# KiCad board ulx4m_panel.kicad_pcb (continued)
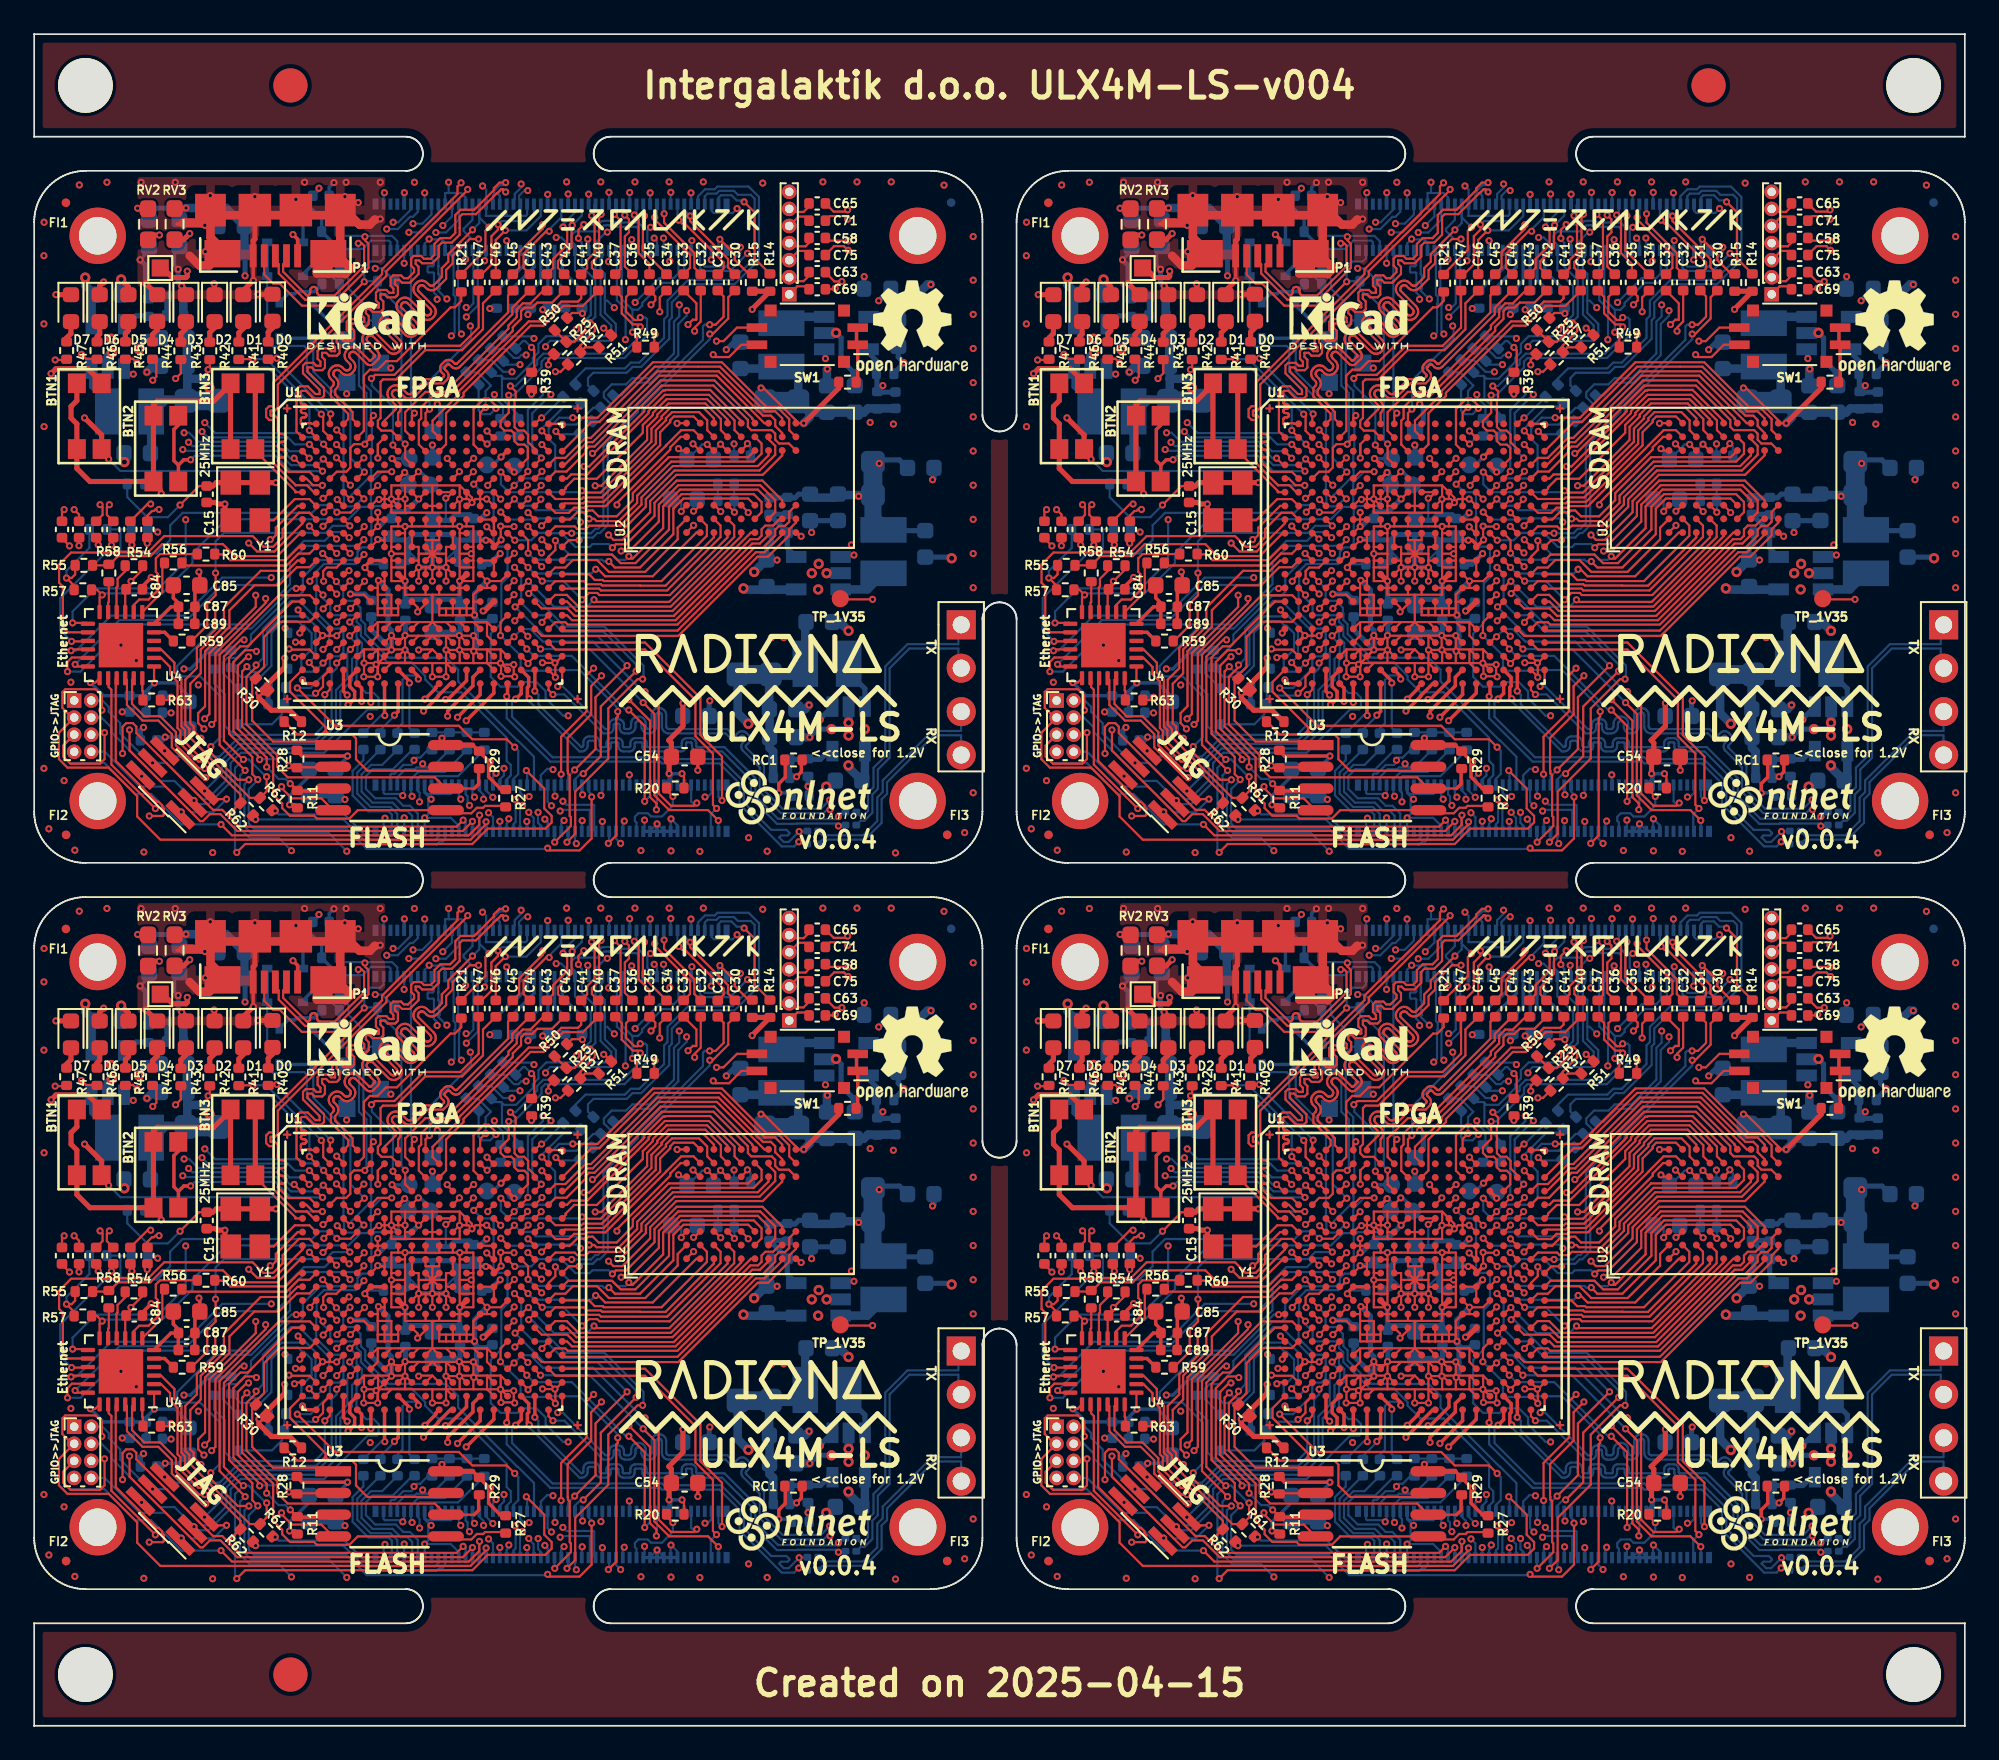
[diagram p0: board, top side]
## Routing (per net, layer and track width the routed paths; a pad name or vN(x,y) marks a point on that pad's centre or on a via; arc(x,y) is an arc through that point) (continued)
  Top w0.2: 9.43,24.28 9.41,24.26 C87#3.2 9.4,22.98 C89#3.2 ; v1(27.34,26.91) 26.92,26.5 U1#3.K15 26.91,26.65 26.67,26.89 v1(26.44,26.89) ; 12.82,43.23 12.82,42.1 v1(12.83,42.09) ; 8.36,45.4 9.21,45.4 9.3,45.48 ; 38.85,14.26 v3(38.85,13.42) ; C85#2.2 9.7,24.98 v1(9.65,25.03) ; 19.98,45.64 20.22,45.64 v1(20.26,45.69) ; v1(6.85,24.71) 6.34,24.19 C84#4.2 ; U1#3.G7 20.91,28.9
  Top w0.3: v1(4.07,42) 3.84,41.76 D6#2.1 ; C15#2.2 10.64,29.1 10.73,29.01 v3(11.17,29.01) 11.17,28.4 Y1.2 ; 20.93,20.51 20.91,20.5 v1(20.91,20.47) ; 12.82,43.23 12.82,44.42 12.92,44.52 v1(12.92,47) ; v1(30.49,19.71) 30.5,19.69 30.51,19.69 ; D5.1 5.52,41.72 v2(5.09,42.15) ; D2#2.1 10.56,41.87 v1(10.54,41.89) ; 26.51,26.89 26.45,26.89 v1(26.44,26.89) ; D1.1 12.24,41.5 v1(12.83,42.09) ; v1(10.31,47.06) 10.32,47.05 10.32,45.91 ; D4.1 7.19,41.25 v3(6.53,41.92) ; D3.1 8.88,41.53 v1(8.64,41.77) ; D7#3.1 1.27,41.25 v1(1.27,41.26) ; v1(18.19,47) 17.92,46.73 17.92,45.91 ; v1(13.11,41.28) 13.11,41.28 D0.1 ; v1(15.32,46.83) 15.32,46.83 15.32,45.91
  Top w0.5: 9.3,45.48 8.76,45.48 8.71,45.43 9.85,45.43 10.32,45.91 ; 17.22,43.36 17.22,43.56 17.92,44.26 17.92,45.91 ; 17.22,43.36 17.92,43.36 ; 17.22,43.36 16.55,42.69 16.55,42.5 18.17,42.5 18.2,42.47 18.46,42.73 18.46,42.87 17.97,43.36 17.22,43.36 ; 17.22,43.36 17.22,42.51 17.21,42.5 ; 10.32,45.91 10.32,44.61 11.02,43.91 11.02,43.36 10.64,43.36 10.25,42.97 9.67,42.97 9.1,43.54 ; 10.32,45.91 17.92,45.91 ; 19.98,45.64 19.94,45.64 19.65,45.36 19.04,45.36 18.49,45.91 17.92,45.91
  Bottom w0.127: v3(7.23,27.37) 7.08,27.52 C83#3.1 ; v1(26.25,47.62) 26.46,47.41 J2#4.32 26.46,45.88 26.44,45.87 27.69,45.87 ; 24.27,47.21 24.06,47.21 ; 24.27,47.21 24.26,47.22 v1(24.26,47.84) ; 24.27,47.21 25,47.21 25.26,46.94 J2#4.26 ; v3(37.27,47.25) 37.26,47.23 J2#4.86 ; J1#2.43 28.86,10.41 v1(28.84,10.43) ; v1(37.21,43.22) 37.26,43.26 J2#4.85 ; J1#2.65 33.26,10.42 v1(33.26,10.43) ; v1(40.19,28.57) 39.97,28.79 39.97,29.14 C81#2.2 C79#4.2 ; J2#4.98 39.66,46.17 39.79,46.04 40.89,46.04 v3(41.15,46.3) ; J2#4.31 26.46,43.33 v1(26.37,43.24) ; J1#2.60 32.06,12.03 v1(32.1,11.99) ; 28.86,46.41 28.86,45.95 28.78,45.87 27.69,45.87 ; 25.92,20.71 25.92,20.72 25.89,20.74 ; J1#2.74 34.86,13.14 v1(34.84,13.16) ; v3(32.46,47.14) 32.46,47.13 J2#4.62 ; v3(34.86,47.24) 34.86,47.23 J2#4.74 ; v1(30.56,44.61) 30.86,44.61 31.26,44.2 J2#4.55 ; J1#2.2 20.46,12.1 20.52,12.04 21.48,12.04 v1(21.58,11.94) ; J2#4.68 33.66,47.24 v3(33.65,47.25) ; v1(22.51,25.3) 22.51,25.65 21.91,26.25 21.91,26.33 ; J2#4.19 24.06,44.3 23.87,44.49 23.14,44.49 v3(23.12,44.51) 22.86,44.25 22.86,43.7 ; C80#3.2 v1(40.97,32.53) ; v1(37.88,28.57) 37.88,29.12 37.72,29.29 C82#4.2 ; R17#2.1 26.69,40.46 v1(26.67,40.45) ; v1(22.86,10.64) 24.39,10.64 24.86,10.17 J1#2.23 ; v1(22.86,10.64) 22.86,10.64 J1#2.13 ; v1(22.86,10.64) 23.07,10.85 23.07,11.89 22.86,12.1 J1#2.14 ; 25.71,22.45 25.76,22.51 v1(25.78,22.51) ; J1#2.71 34.46,10.36 v1(34.54,10.45) ; v3(27.66,44.41) 27.66,44.41 J2#4.37 ; 26.46,26.89 v1(26.44,26.89) ; v1(38.5,44.43) 38.46,44.38 J2#4.91 ; J1#2.42 28.46,12.1 28.67,11.89 v1(28.97,11.89) ; v1(20.54,10.62) 20.46,10.54 J1#2.1 ; v1(26.85,11.84) 26.46,12.23 26.46,12.71 ; 24.71,26.33 24.11,25.73 v1(24.11,25.3) ; v3(38.45,47.22) 38.46,47.21 J2#4.92 ; C78#4.2 39.77,32.09 v1(40.18,32.51) ; J1#2.66 33.26,12.03 v1(33.18,11.95) ; v1(26.6,10.94) 26.86,10.68 26.86,9.85 J1#2.33 ; 21.91,26.9 21.91,26.92 ; R48#2.2 R52#3.2 26.99,32.99 v1(26.52,32.52) ; v1(22.86,47.22) 22.86,47.21 22.86,46.41 ; J1#2.14 22.86,12.19 23.01,12.04 24.39,12.04 24.46,12.1 J1#2.22 ; J1#2.14 22.86,12.11 v1(23.24,11.73) ; v1(21.66,10.64) 21.66,10.64 J1#2.7 ; 21.91,25.58 21.81,25.48 C14#3.2 ; v3(33.62,43.19) 33.66,43.22 J2#4.67 ; v1(21.58,11.94) 21.6,11.94 ; v1(21.58,11.94) 21.66,12.02 J1#2.8 ; D9#3.2 18.31,35.48 v1(18.29,35.46) ; J1#2.59 32.06,10.45 v1(32.08,10.48) ; v3(30.06,47.13) 30.06,47.12 J2#4.50 ; J2#4.7 v1(21.66,43.1) ; 27.69,45.87 27.66,45.9 J2#4.38 ; v3(36.06,47.22) 36.06,47.21 J2#4.80 ; v1(31.02,10.49) 30.86,10.33 J1#2.53 ; v1(20.88,36.97) 20.6,37.25 D8#3.2 ; J2#4.61 32.46,44.46 v3(32.41,44.51) ; J2#4.97 39.66,43.32 v3(39.64,43.3) ; J1#2.98 39.66,12.1 39.42,11.86 v1(39.27,11.86) ; J2#4.79 36.06,44.21 35.89,44.37 35.89,45.02 v1(36.07,45.2) ; J2#4.25 25.26,43.33 v1(25.25,43.33) ; J2#4.20 24.06,47.21 ; v1(30.49,11.91) 30.46,11.94 J1#2.52 ; J2#4.56 31.26,47.14 v3(31.26,47.15) ; J2#4.73 34.86,44.35 v3(34.98,44.47)
  Bottom w0.2: v1(21.67,47.23) 21.66,47.21 J2#4.8 ; v1(9.99,45.32) 10.04,45.27 C38#2.2 ; C90#3.2 7.92,17.79 v1(8.02,17.69) ; v1(5.15,16.84) 5.17,16.83 C86#2.2 ; C49#3.2 6.73,43.83 v1(6.2,43.3) ; v1(17.55,47.82) 17.27,47.54 C18.2 ; v3(45.3,12.48) 45.34,12.44 45.34,11.95 ; C88#2.2 8,16.8 v1(8.02,16.78) ; v1(32.09,40.16) 32.07,40.18 R9#2.1 32.11,40.44 ; C53#2.2 8.22,43.78 8.22,42.95 v3(8.43,42.74)
  Bottom w0.3: v1(10.02,43.77) 10.05,43.74 C48.2 ; 25.9,22.27 25.9,22.13 ; 25.9,22.27 25.71,22.45 ; 25.9,22.27 25.78,22.38 v1(25.78,22.51) 25.78,23.77 v1(26.51,24.5) ; 25.9,22.13 25.9,21.25 ; 25.9,22.13 26.52,22.13 26.68,22.3 C29.2 ; 48.02,36.67 47.24,37.45 47.24,38.73 v2(46.94,39.03) ; v1(24.11,25.3) v1(23.31,25.3) ; v1(23.31,25.3) v1(22.51,25.3) ; v1(23.31,25.3) 23.31,27.17 23.36,27.22 ; C21#3.2 6.22,15.75 v1(6.4,15.93) ; v1(39.55,17.49) 39.52,17.45 C16#2.2 ; 6.59,38.72 6.13,38.26 v2(6.13,38.05) ; v1(8.64,41.77) 8.43,41.98 v3(8.43,42.74) ; v1(21.71,21.32) 21.73,21.33 C27#4.2 ; 23.36,27.22 22.21,27.22 21.91,26.92 ; 23.36,27.22 24.39,27.22 24.71,26.9 ; C13#2.2 24.75,25.48 24.71,25.52 24.71,26.9 ; C50#4.2 C51#2.2 17.99,11.92 v3(18.19,11.71) ; 46.65,12.82 46.65,12.56 ; v1(6.2,43.3) 6.53,42.97 v3(6.53,41.92) 6.69,41.76 6.69,40.98 ; 25.75,26.9 26.51,26.9 ; 25.75,26.9 25.73,26.92 C25#3.2 ; 25.75,26.9 25.61,26.9 25.6,26.9 ; 26.51,26.9 26.45,26.9 v1(26.44,26.89) ; 26.51,26.9 24.71,26.9 ; v1(20.15,24.54) 20.71,23.98 20.71,21.81 20.91,21.6 v1(20.91,20.47) 19.74,21.64 19.74,22.43 ; C17#3.2 24.69,21.5 v1(24.88,21.31) 24.93,21.36 C28#2.2 ; v3(23.6,34.86) 23.81,34.65 23.81,33.73 C19#3.2 ; C24#3.2 40.96,38.48 v1(40.51,38.04) ; 25.9,21.25 25.89,20.74 ; 25.9,21.25 25.85,21.3 v1(25.71,21.3) ; v2(46.68,15.83) 45.88,15.83 v3(45.4,15.36) ; 21.91,25.58 21.91,26.9 20.94,26.9 ; v1(43.49,25.73) 43.48,25.73 C76#4.2 42.88,26.55 43.16,26.83 43.16,27.33 ; v1(25.73,20.39) 25.73,20.52 25.92,20.71 ; C52#3.2 49.44,40.9 v1(49.44,40.9) ; C97#2.2 53.64,25.9 v2(53.71,25.83) ; 20.93,26.93 20.12,26.93 v1(20.11,26.93) ; v1(52.59,30.43) 52.67,30.51 C98#2.2 ; 45.3,13.1 v3(45.3,12.48) ; C96.2 47.05,28.03 C95.2 45.51,27.94 v1(45.51,27.34) ; C9.2 50.58,37.61 v3(50.92,37.27) 50.92,37.25 50.3,36.63
  Bottom w0.5: U5#4.2 47.68,16.21 v2(47.67,16.21) ; C22#3.2 47.16,22.1 v2(47.67,21.58) ; C5#4.2 46.55,12.46 v2(46.37,12.46) ; C12#2.2 6.96,37.09 v3(6.6,36.73) ; v2(42.15,25.03) 42.85,25.73 C76#4.2 ; C23#2.2 5.26,31.48 v2(5.28,31.46) ; C4#4.2 45.12,16.99 v3(45.37,17.24) ; C11#2.2 6.59,38.72 ; U6#2.2 4.31,37.63 v2(4.54,37.86) ; U7#3.2 46.97,39.01 ; v2(46.39,24.96) 46.39,24.95 47.21,24.95 ; v3(46.43,36.9) 46.41,36.88 C8#2.2 ; 48.02,36.67 48.04,36.65 C7#2.2 ; C1#4.2 v2(5.09,42.15) ; C3#4.2 v3(45.4,15.36)
  vias: v1(0.58,45.5) v1(0.57,43.54) v1(0.57,39.55) v1(0.58,33.54) v1(0.57,13.54) v1(0.86,10) v1(1.75,12.82) v1(2.15,18.58) v1(2.38,8.75) v1(2.64,47.68) v1(4.26,47.84) v1(5.08,20.75) v1(5.98,19.85) v1(6.26,47.84) v1(6.42,8.64) v1(8.26,47.84) v1(10.45,8.61) v1(15.83,47.84) v1(18.26,47.84) v1(18.97,46.65) v1(20.26,47.84) v1(22.26,47.84) v1(31.17,47.86) v1(33.17,47.86) v1(35.17,47.86) v1(35.52,8.73) v1(37.17,47.86) v1(37.28,8.71) v1(38.97,8.68) v1(39.17,47.86) v1(41.82,9.48) v1(42.65,47.79) v1(42.91,8.69) v1(43.15,21.18) v1(43.88,21.18) v1(46.17,47.86) v1(47.84,26.61) v1(48.17,47.86) v1(48.94,33.78) v1(50.17,47.86) v1(50.3,33.68) v1(50.42,8.59) v1(53.26,47.67) v1(54.47,9.78) v1(54.97,44.66) v1(54.97,42.11) v1(54.97,40.11) v1(54.97,38.11) v1(54.97,36.11) v1(54.97,34.11) v1(54.97,32.11) v1(54.97,30.11) v1(54.97,28.11) v1(54.97,26.11) v1(54.97,24.11) v1(54.97,12.11) v2(4.51,38.68) v2(45.52,24.96) v2(45.93,25.51) v2(45.9,24.01) v2(47.67,15.46) v2(48.63,15.83)
Board_2-GP0: length 13.4
  Top w0.127: U1#3.B11 23.32,33.29 23.32,33.88 24.88,35.44 24.88,35.62 28.95,39.69 29.71,39.69 30.86,40.85 31.83,40.85 32.02,41.04 C41.1
Board_2-GP3: length 13.3
  Top w0.127: C43#4.1 29.8,41.5 29.05,40.75 28.61,40.75 28.25,40.39 28.25,39.94 27.76,39.46 27.76,39.27 24.06,35.57 22.91,35.57 21.72,34.38 21.72,33.29 U1#3.B9
Board_2-GP4: length 13.9
  Top w0.127: C45#2.1 27.74,41.22 27.74,40.22 24.76,37.24 24.74,37.22 24.72,37.21 24.69,37.2 24.67,37.2 24.65,37.21 24.62,37.22 24.6,37.24 24.5,37.34 24.44,37.39 24.37,37.42 24.3,37.44 24.22,37.44 24.14,37.42 24.07,37.39 24.01,37.34 23.86,37.19 23.81,37.13 23.78,37.06 23.76,36.98 23.76,36.91 23.78,36.83 23.81,36.76 23.86,36.7 23.97,36.6 23.98,36.58 23.99,36.55 24,36.53 24,36.51 23.99,36.48 23.98,36.46 23.97,36.44 23.84,36.32 22.94,36.32 22.12,35.5 22.08,35.47 22.04,35.45 21.99,35.44 21.94,35.44 21.89,35.45 21.84,35.47 21.8,35.5 21.48,35.82 21.4,35.88 21.31,35.93 21.22,35.95 21.12,35.95 21.02,35.93 20.93,35.88 20.85,35.82 20.81,35.78 20.75,35.7 20.7,35.61 20.68,35.51 20.68,35.41 20.7,35.32 20.75,35.22 20.81,35.15 21.13,34.82 21.16,34.79 21.18,34.74 21.19,34.69 21.19,34.64 21.18,34.59 21.16,34.55 21.13,34.51 20.51,33.89 U1#3.A7
Board_2-GP5: length 14.6
  Top w0.127: v1(19.74,36.36) 19.95,36.56 21.09,36.56 22.79,38.27 24.95,38.27 26.02,39.34 C47.1 ; v1(21,32.46) 21,32.41 U1#3.C8
  Bottom w0.127: 19.77,36.42 19.77,35.94 21,34.71 v1(21,32.46)
Board_2-GPIO2: length 19.7
  Top w0.127: v1(32.14,13.22) 33.17,14.25 33.17,17.16 v1(35.24,19.23) ; U1#3.M17 28.51,24.91 v1(28.12,25.3)
  Bottom w0.127: J1#2.58 31.66,12.89 31.99,13.22 v1(32.14,13.22) ; v1(35.24,19.23) 35.24,19.62 33.32,21.54 30.92,21.54 29.96,22.5 29.24,22.5 28.51,23.23 28.51,24.91 v1(28.12,25.3)
Board_2-GPIO3: length 16.9
  Top w0.127: v1(31.64,13.44) 32.86,14.66 32.86,17.7 v1(34.71,19.55) ; v1(28.15,22.99) 28.2,22.99 U1#3.P17
  Bottom w0.127: v1(31.64,13.44) 31.26,13.06 J1#2.56 ; v1(34.71,19.55) 32.99,21.27 29.87,21.27 v1(28.15,22.99)
Board_2-GPIO4: length 14.9
  Top w0.127: U1#3.P16 27.71,23.32 v1(28.09,23.7) ; v1(32.75,19.4) 32.35,19 32.35,16.89 30.85,15.38 v1(30.85,13.19)
  In2signal.Cu w0.127: v1(32.75,19.4) 32.69,19.4 30.89,21.2 30.89,21.58 29.48,22.99 28.72,22.99 28.09,23.62 v1(28.09,23.7)
  Bottom w0.127: v1(30.85,13.19) 30.86,13.18 J1#2.54
Board_2-GPIO5: length 46.6
  Top w0.127: v1(15.34,24.07) 15.37,24.1 U1#3.N1
  In2signal.Cu w0.127: v1(10.34,14.81) 10.34,14.48 7.44,11.58 6.9,11.58 6.34,11.01 6.34,10.58 6.57,10.35 6.91,10.35 7.09,10.53 7.77,10.53 8.44,9.85 11.66,9.85 11.87,10.07 23.22,10.07 24.07,10.91 25.6,10.91 25.88,11.19 26.26,11.19 26.4,11.34 26.92,11.34 27.25,11.67 27.25,13.04 v1(27.04,13.25)
  Bottom w0.127: J1#2.34 26.86,13.07 v1(27.04,13.25) ; v1(10.34,14.81) 10.9,15.37 10.9,17.74 9.72,18.92 8.65,18.92 8.37,19.2 8.37,19.53 10.56,21.72 12.71,21.72 15.06,24.07 v1(15.34,24.07)
Board_2-GPIO6: length 21.3
  Top w0.127: U1#3.R1 15.45,22.76 v1(15.45,22.81)
  In2signal.Cu w0.127: v1(15.45,22.81) 15.81,22.45 15.81,21.79 16.7,20.9 18.28,20.9 19.34,20.9 20.49,19.75 20.74,19.75 20.81,19.81 24.5,19.81 25.27,19.04 25.27,17.63 26.63,16.27 26.63,14.57 26.23,14.17 26.23,11.8 v1(26.31,11.73) 26.31,11.82 26.3,11.82
  Bottom w0.127: v1(26.31,11.73) 26.31,11.99 26.06,12.24 J1#2.30
Board_2-GPIO7: length 21.6
  Top w0.127: v1(16.92,22.87) 16.92,22.91 U1#3.P3
  In2signal.Cu w0.127: v1(27.79,10.58) 27.76,10.61 27.76,11.89 27.9,12.04 27.9,13.73 27.69,13.94 27.63,13.94 26.9,14.66 26.9,16.36 25.52,17.74 25.52,19.18 24.63,20.07 20.53,20.07 18.9,21.7 18.28,21.7 17.43,21.7 16.92,22.21 v1(16.92,22.87)
  Bottom w0.127: v1(27.79,10.58) 27.79,10.43 27.66,10.3 J1#2.37
Board_2-GPIO8: length 21.2
  Top w0.127: U1#3.P4 17.73,22.92 v1(17.73,22.9)
  In2signal.Cu w0.127: v1(17.73,22.9) 18.13,22.5 18.71,22.5 20.34,20.87 25.09,20.87 25.3,20.66 25.3,19.79 25.79,19.3 25.79,17.83 27.16,16.46 27.16,14.77 27.73,14.19 27.8,14.19 28.16,13.83 28.16,11.7 v1(28.16,11.7)
  Bottom w0.127: v1(28.16,11.7) 28.19,11.67 28.19,10.39 28.06,10.26 J1#2.39
Board_2-GPIO9: length 29.9
  Top w0.127: v1(15.4,18.24) 17.61,16.03 24.86,16.03 25.65,15.24 27.67,15.24 v1(28.13,14.77) ; v1(19.31,26.05) 18.95,25.7 U1#3.L5
  Bottom w0.127: v1(15.4,18.24) 16.18,18.24 17.31,19.37 17.31,19.9 17.5,20.09 17.85,20.09 18.1,20.34 18.1,21.15 18.1,21.15 18.1,21.48 17.86,21.72 17.47,21.72 16.51,22.68 16.51,24.2 16.54,24.23 16.54,25.08 16.96,25.5 18.83,25.5 19.31,25.97 v1(19.31,26.05) ; v1(28.13,14.77) 28.34,14.57 28.34,13.2 28.06,12.92 J1#2.40
Board_2-GPIO10: length 63.8
  Top w0.127: v3(13.61,13.05) 13.61,12.2 R61#3.2 12.63,11.81 10.25,14.18 9.72,14.18 8.83,15.07 8.83,15.78 8.62,15.99 8.62,18.04 8.62,18.74 8.21,19.15 8.21,19.72 7.43,20.5 U4#3.3 ; v1(11.86,8.62) 12.35,9.11 25.65,9.11 26.55,10.01 29.93,10.01 30.29,10.37 30.29,10.75 29.86,11.19 29.86,12.36 v1(28.81,13.41) ; v1(12.25,14.06) 12.21,14.06 11.11,15.16 11.11,20.08 12.09,21.06 v1(12.29,21.06) ; v1(18.49,26.12) 18.49,26.12 U1#3.K4
  In2signal.Cu w0.127: v1(18.49,26.12) 18.11,26.5 17.38,26.5 17.15,26.73 15.22,26.73 12.54,24.05 12.54,21.31 v1(12.29,21.06)
  Bottom w0.127: v1(11.86,8.62) 11.76,8.72 11.76,13.56 v1(12.25,14.06) 12.56,14.06 13.57,13.05 v3(13.61,13.05) ; J1#2.44 28.86,13.36 v1(28.81,13.41)
Board_2-GPIO11: length 18.8
  Top w0.127: v1(16.91,23.68) 16.91,23.7 U1#3.N2
  Bottom w0.127: J1#2.38 27.66,12.88 27.9,13.13 27.9,13.73 27.66,13.97 27.66,15.33 25,17.99 23.64,17.99 22.89,18.74 22.89,18.94 22.09,19.74 20.67,19.74 19.13,21.29 19.13,21.86 18.88,22.11 18.88,22.33 18.71,22.5 18.33,22.5 17.34,22.5 17.33,22.51 17.33,23.07 16.91,23.49 v1(16.91,23.68)
Board_2-GPIO12: length 57.9
  Top w0.127: v3(26.45,10.41) 26.45,10.27 25.54,9.36 7.39,9.36 6.03,10.72 6.03,11.91 4.36,13.58 1.95,13.58 1.45,14.08 1.45,15.62 J6.3 2.22,16.51 1.65,17.08 1.65,18 1.82,18.17 3.59,18.17 3.96,17.79 v1(3.96,16.94) ; U1#3.L2 16.12,25.31 15.38,25.31 14.32,24.25 12.89,24.25 11.43,22.79 11.43,21.82 10,20.39 10,17.17 9.6,16.77 9.6,16.19 v1(9.94,15.85)
  In2signal.Cu w0.127: v1(3.96,16.94) 4.13,16.78 4.13,16.55 4.24,16.55 5.4,15.38 6.47,15.38 7.14,16.06 9.73,16.06 v1(9.94,15.85)
  Bottom w0.127: v3(26.45,10.41) 26.46,10.4 26.46,10
Board_2-GPIO13: length 21.1
  Top w0.127: v1(15.55,21.46) 15.55,21.54 U1#3.T1
  In2signal.Cu w0.127: v1(25.77,11.85) 25.77,14.12 26.36,14.71 26.36,16.18 25.01,17.53 25.01,18.93 24.39,19.56 21.99,19.56 20.8,18.37 19.08,18.37 18.67,18.78 17.64,18.78 17.31,19.11 17.31,20.05 17.26,20.1 16.74,20.1 15.55,21.29 v1(15.55,21.46)
  Bottom w0.127: J1#2.28 25.66,11.97 v1(25.77,11.85)
Board_2-GPIO14: length 22
  Top w0.127: v1(35.62,18.76) 35.32,18.76 33.61,17.04 33.61,14.11 31.67,12.17 31.67,9.7 v1(31.19,9.22) ; U1#3.N18 29.28,24.1 v1(28.95,23.77)
  Bottom w0.127: v1(35.62,18.76) 35.67,18.81 35.67,19.55 33.39,21.83 31.06,21.83 29.12,23.77 v1(28.95,23.77) ; v1(31.19,9.22) 31.26,9.28 J1#2.55
Board_2-GPIO15: length 20.6
  Top w0.127: v1(28.1,24.52) 27.71,24.13 U1#3.N16 ; v1(33.21,18.96) 32.61,18.35 32.61,16.69 31.23,15.32 31.23,13.4 31.25,13.38 31.25,13.23 31.35,13.13 31.35,10.75 31.42,10.68 31.42,10.16 v1(30.47,9.22)
  In2signal.Cu w0.127: v1(28.1,24.52) 28.53,24.09 28.53,23.59 28.88,23.24 29.71,23.24 31.14,21.81 31.14,21.67 33.41,19.4 33.41,19.16 v1(33.21,18.96)
  Bottom w0.127: J1#2.51 30.46,9.23 v1(30.47,9.22)
Board_2-GPIO16: length 56.1
  Top w0.127: v1(10.94,10.25) 11.58,9.61 25.44,9.61 26.05,10.23 26.05,10.78 v3(26.07,10.79) ; J6.5 1.7,14.87 1.7,14.24 2.13,13.81 3.85,13.81 4.12,14.08 v1(4.12,15.63) ; v1(9.76,15.3) 9.34,15.72 9.34,15.98 9.14,16.18 9.14,18.49 9.75,19.1 9.75,20.49 11.11,21.85 11.11,22.95 13.26,25.1 14.82,25.1 15.42,25.7 U1#3.L1
  In2signal.Cu w0.127: v1(4.12,15.63) 4.24,15.75 4.68,15.75 5.3,15.13 6.57,15.13 7.25,15.81 9.25,15.81 v1(9.76,15.3)
  Bottom w0.127: J6.5 1.72,14.89 1.72,14.21 2.09,13.85 4.12,13.85 5.93,12.04 6.84,12.04 8.63,10.25 v1(10.94,10.25) ; v3(26.07,10.79) 26.05,10.78 26.05,10 26.06,10
Board_2-GPIO17: length 67.2
  Top w0.127: U1#3.H3 16.92,27.71 v1(16.91,27.71)
  In2signal.Cu w0.127: v1(30.28,11.35) 30.33,11.3 30.33,10.46 29.17,9.31 12.19,9.31 11.89,9.01 6.64,9.01 6.61,9.04 2.68,9.04 1.04,10.68 1.04,13.66 0.87,13.83 0.87,27.75 1.4,28.28 8.35,28.28 8.62,28.55 16.07,28.55 v1(16.91,27.71)
  Bottom w0.127: v1(30.28,11.35) 30.06,11.57 J1#2.50
Board_2-GPIO18: length 25.4
  Top w0.127: v1(19.34,24.49) 18.95,24.1 U1#3.N5
  In2signal.Cu w0.127: v1(29.89,10.56) 30.07,10.74 30.07,10.91 29.88,11.1 29.88,12.58 29.72,12.74 29.72,16.81 29.71,16.82 29.71,18.24 29.29,18.66 29.13,18.66 28.71,18.24 26.98,18.24 26.9,18.32 26.9,21.11 26.9,21.11 26.9,21.5 26.94,21.54 26.94,23.02 26.48,23.48 20.35,23.48 v1(19.34,24.49)
  Bottom w0.127: J1#2.49 30.06,10.4 v1(29.89,10.56)
Board_2-GPIO19: length 21.9
  Top w0.127: v1(15.3,20.92) 15.32,20.9 U1#3.U1
  In2signal.Cu w0.127: v1(25.48,11.37) 25.37,11.47 25.37,14.09 26.11,14.83 26.11,16.07 24.76,17.42 24.76,18.83 24.29,19.3 22.09,19.3 20.9,18.11 18.97,18.11 18.58,18.5 17.11,18.5 16.5,19.11 16.5,19.94 15.52,20.92 v1(15.3,20.92)
  Bottom w0.127: J1#2.26 25.26,12.02 25.37,11.9 25.37,11.47 v1(25.48,11.37)
Board_2-GPIO20: length 48.1
  Top w0.127: v1(12.97,23.67) 12.97,22.99 10.26,20.27 10.26,16.71 v1(9.98,16.44) ; v1(16.89,26.11) 16.9,26.11 U1#3.L3 ; v1(5.58,15.78) 5.58,14.58 9.72,10.44 9.88,10.44 10.28,10.85 10.9,10.85 11.89,9.87 25.09,9.87 v3(25.65,10.43)
  In2signal.Cu w0.127: v1(12.97,23.67) 13.59,24.29 14,24.29 15.15,25.44 16.22,25.44 v1(16.89,26.11) ; v1(9.98,16.44) 9.88,16.33 6.13,16.33 v1(5.58,15.78) 5.58,17.06 4.48,18.16 2.99,18.16 J6.1
  Bottom w0.127: 25.66,10 25.66,10.43 v3(25.65,10.43)
Board_2-GPIO21: length 62.3
  Top w0.127: U1#3.L4 17.7,25.29 17.12,25.29 16.92,25.08 16.92,24.51 v1(16.94,24.49) ; v1(13.55,23.48) 13.55,23.22 10.61,20.28 10.61,16.33 v1(10.39,16.11) ; 11.34,10.78 11.99,10.12 24.73,10.12 v3(25.11,10.5) ; 11.34,10.78 12.06,11.51 R62#3.2 12.08,12 10.15,13.93 9.61,13.93 8.56,14.98 8.56,15.73 8.39,15.9 8.39,18.61 7.96,19.04 7.96,19.47 7.43,20 U4#3.2 ; 11.34,10.78 11.01,11.11 10.47,11.11 5.98,15.59 5.98,15.98 5.77,16.18 5.39,16.18 5.17,15.97 v1(5.17,14.41)
  In2signal.Cu w0.127: v1(10.39,16.11) 10.39,15.39 8.96,13.96 7.52,13.96 7.07,14.41 v1(5.17,14.41) 4.79,14.41 4.27,13.89 2.96,13.89 J6.7 ; v1(16.94,24.49) 16.93,24.49 16.48,24.94 15.01,24.94 v1(13.55,23.48)
  Bottom w0.127: v3(25.11,10.5) 25.26,10.36 J1#2.25
Board_2-GPIO22: length 19.6
  Top w0.127: U1#3.M3 17.31,24.85 v1(17.69,24.47)
  Bottom w0.127: v1(17.69,24.47) 17.69,24.46 18.09,24.06 18.09,23.4 18.15,23.34 18.7,23.34 19.1,22.94 19.1,22.63 19.13,22.6 19.13,22.22 19.38,21.97 19.38,21.4 20.76,20.02 20.92,20.02 20.93,20.01 24.12,20.01 24.82,19.31 24.82,18.62 28.28,15.16 28.31,15.16 29.26,14.21 J1#2.46
Board_2-GPIO23: length 23.9
  Top w0.127: v1(18.49,24.5) 18.11,24.12 U1#3.N4
  In2signal.Cu w0.127: v1(29.5,10.96) 29.63,11.09 29.63,12.47 29.46,12.63 29.46,15.32 27.26,17.53 27.24,17.53 26.64,18.12 26.64,21.01 26.64,21.01 26.64,21.6 26.68,21.64 26.68,22.92 26.38,23.22 19.77,23.22 v1(18.49,24.5)
  Bottom w0.127: v1(29.5,10.96) 29.49,10.96 29.49,10.35 29.66,10.18 J1#2.47
Board_2-GPIO24: length 23.4
  Top w0.127: U1#3.N3 17.35,24.1 v1(17.71,23.74)
  In2signal.Cu w0.127: v1(17.71,23.74) 18.14,23.31 18.75,23.31 20.02,22.04 25.9,22.04 26.39,21.55 26.39,20.9 26.39,20.9 26.39,17.95 29.21,15.13 29.21,12.53 29.37,12.36 29.37,11.43 28.95,11.01 v1(28.95,10.96)
  Bottom w0.127: v1(28.95,10.96) 28.95,10.92 29.24,10.63 29.24,9.86 J1#2.45
Board_2-GPIO25: length 21.5
  Top w0.127: v1(18.52,22.9) 18.52,22.9 U1#3.P5
  In2signal.Cu w0.127: v1(28.59,11.37) 28.57,11.39 28.57,13.01 28.41,13.17 28.41,13.94 27.9,14.44 27.84,14.44 27.41,14.87 27.41,16.57 26.14,17.84 26.14,20.8 26.13,20.8 26.13,21.44 25.85,21.73 19.97,21.73 18.8,22.9 v1(18.52,22.9)
  Bottom w0.127: v1(28.59,11.37) 28.44,11.22 28.44,9.86 J1#2.41
Board_2-GPIO26: length 17.3
  Top w0.127: U1#3.V1 15.31,20.1 v1(15.24,20.02)
  In2signal.Cu w0.127: v1(24.97,11.73) 23.29,13.41 23.29,17.82 23.1,18.01 21.44,18.01 21.4,17.97 21.39,17.97 21.28,17.86 18.87,17.86 18.48,18.25 17,18.25 v1(15.24,20.02)
  Bottom w0.127: J1#2.24 24.86,11.84 v1(24.97,11.73)
Board_2-GPIO27: length 31.5
  Top w0.127: v1(28.14,22.17) 28.46,22.5 U1#3.R17
  In2signal.Cu w0.127: v1(28.14,22.17) 28.96,22.17 29.91,21.22 30.06,21.22 33.2,18.08 34.91,18.08 35.21,17.78 35.21,15.73 36.55,14.39 36.55,13.08 37.23,12.4 37.56,12.4 37.92,12.04 37.92,9.88 37.42,9.38 35.46,9.38 34.83,8.75 32.93,8.75 31.49,10.19 31.49,11.99 30.66,12.82 30.42,12.82 30.37,12.86 v1(30.37,13.47)
  Bottom w0.127: v1(30.37,13.47) 30.33,13.51 30.03,13.51 29.66,13.13 J1#2.48
Board_2-HDMI0_CEC: length 2.5
  Bottom w0.2: R8.2 30.46,42.11 30.46,43.7
Board_2-HDMI0_CLK_N: length 5.3
  Top w0.127: C30.2 40.62,42.86 40.62,43.34 38.4,45.56 v1(38.4,45.86)
  Bottom w0.127: J2#4.90 38.06,46.2 v1(38.4,45.86)
Board_2-HDMI0_CLK_P: length 5.5
  Top w0.127: C31.2 40.36,42.8 40.36,43.15 38.1,45.41 37.94,45.41 v1(37.73,45.62)
  Bottom w0.127: v1(37.73,45.62) 37.66,45.69 J2#4.88
Board_2-HDMI0_HOTPLUG: length 2.9
  Bottom w0.2: 30.86,43.7 30.86,43.17 30.92,43.1 30.92,42.38 31.19,42.38 R9#2.2
Board_2-HDMI0_SCL: length 6.9
  Top w0.127: R14#2.2 42.17,43.38 42.17,46.08 v1(41.56,46.69)
  Bottom w0.127: J2#4.100 40.06,46.93 40.21,47.08 40.82,47.08 41.13,46.77 41.48,46.77 v1(41.56,46.69)
Board_2-HDMI0_SDA: length 3.6
  Top w0.127: v1(40.14,44.5) 41.02,43.62 41.02,43.28 41.83,42.48 R15#2.2
  Bottom w0.127: J2#4.99 40.06,44.41 v1(40.14,44.5)
Board_2-HDMI0_TX0_N: length 5
  Top w0.127: C32#4.2 38.65,42.83 38.65,43.7 36.88,45.47 v1(36.88,45.99)
  Bottom w0.127: J2#4.84 36.86,46.01 v1(36.88,45.99)
Board_2-HDMI0_TX0_P: length 5.2
  Top w0.127: v1(36.33,45.78) 36.33,45.66 38.39,43.6 38.39,42.83 C33#3.2
  Bottom w0.127: J2#4.82 36.46,45.91 v1(36.33,45.78)
Board_2-HDMI0_TX1_N: length 5.1
  Top w0.127: 35.73,45.54 35.73,45.86 v1(35.73,45.87) 35.64,45.78 35.64,43.84 C34#2.2
  Bottom w0.127: J2#4.78 35.66,45.94 v1(35.73,45.87)
Board_2-HDMI0_TX1_P: length 4.5
  Top w0.127: C35#3.2 36.02,43.06 35.38,43.69 35.38,45.67 v1(35.13,45.92)
  Bottom w0.127: J2#4.76 35.26,46.05 v1(35.13,45.92)
Board_2-HDMI0_TX2_N: length 4.5
  Top w0.127: v1(34.58,45.91) 34.82,45.67 34.82,44.91 34.58,44.67 34.58,42.9 C36.2
  Bottom w0.127: v1(34.58,45.91) 34.46,46.03 J2#4.72
Board_2-HDMI0_TX2_P: length 4.4
  Top w0.127: v1(33.97,45.95) 34.32,45.59 34.32,42.76 C37.2
  Bottom w0.127: v1(33.97,45.95) 34.06,46.04 J2#4.70
Board_2-HDMI1_CEC: length 2.2
  Bottom w0.2: 30.06,43.7 30.06,42.23 30.07,42.21 R16#4.2
Board_2-HDMI1_CLK_N: length 4.5
  Top w0.127: C40#4.2 32.65,42.83 32.65,43.17 33.07,43.59 33.07,45.85 v1(33.19,45.97)
  Bottom w0.127: v1(33.19,45.97) 33.26,46.04 J2#4.66
